# Altium PCB KEA once.PcbDoc (part 2 of 4)
Units mil, origin at the board's own origin, x right, y up, seen from the top; angles counter-clockwise.
Board outline 3229.26 x 1991.89 mil, 2 copper layers (Top Layer, Bottom Layer); 76 components, 82 nets, 488 pads, 56 vias.
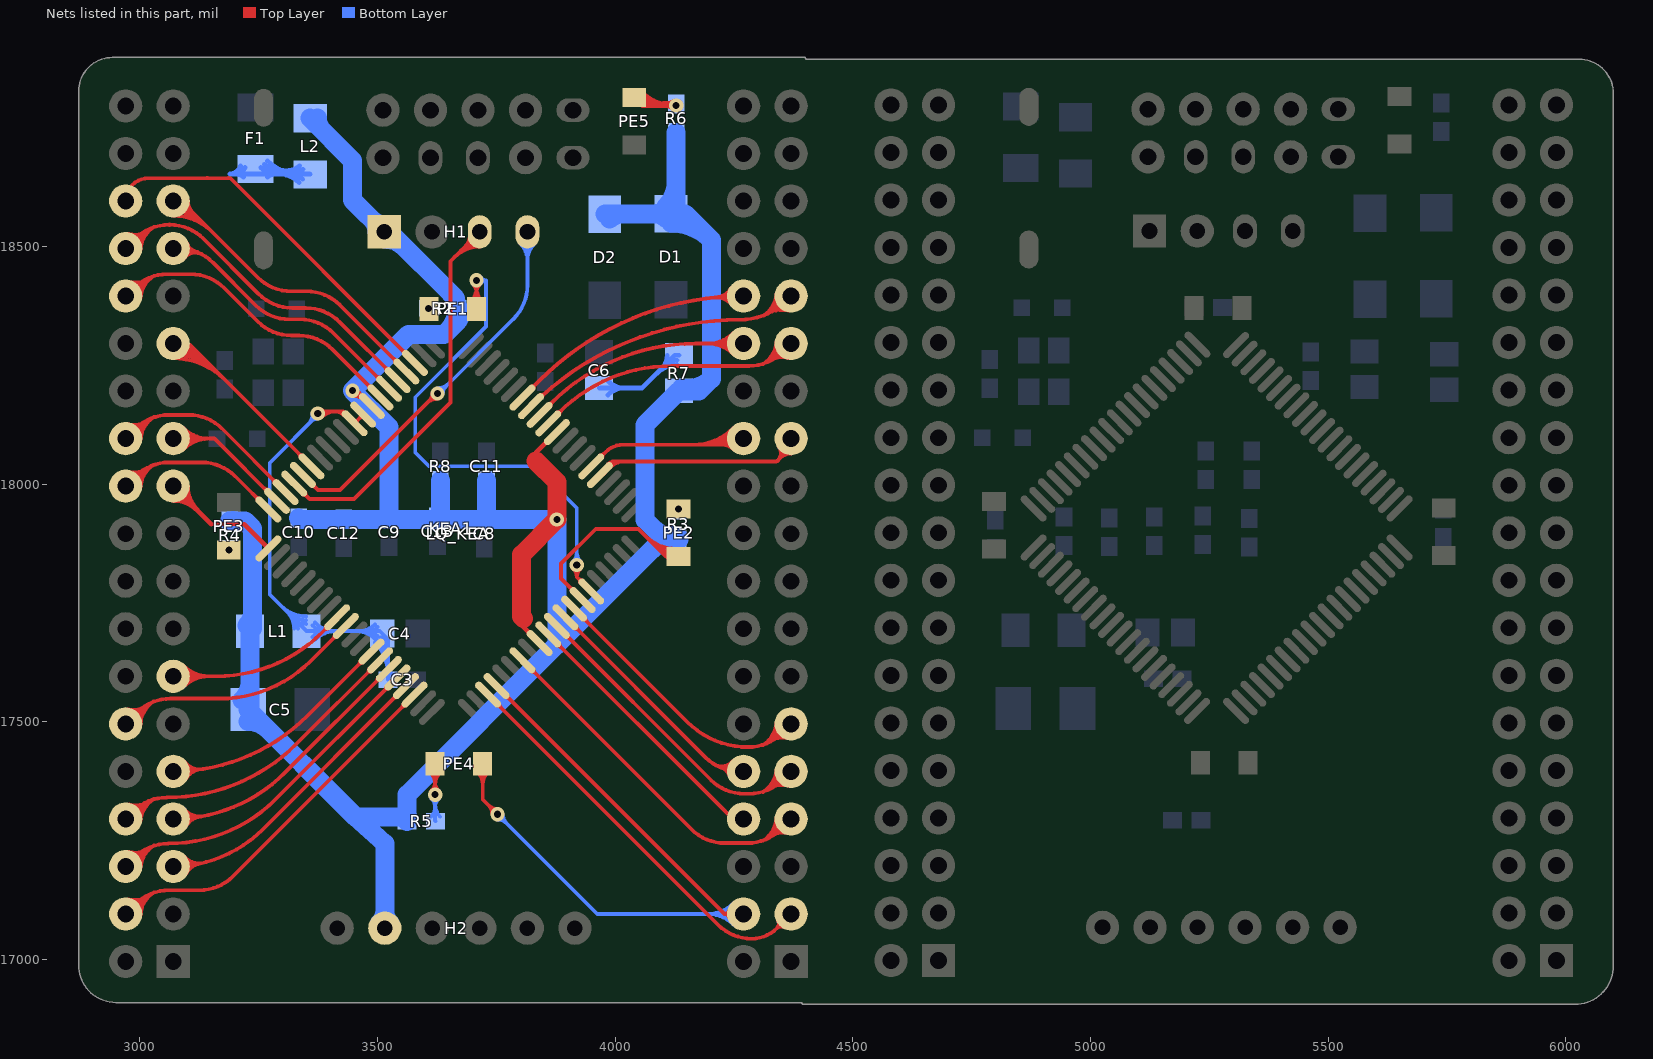
[diagram p2: the nets of this part, all layers, seen from the top]

## Via types
v1: diameter 30, hole 15, Top Layer to Bottom Layer, 56 vias

## Nets (pads, with @x,y where several pads share a name; then routed paths per layer and width w, separated by ;. In a path a pad name is that pad's centre, name@x,y a point inside that pad or via, vN(x,y) a via of type N, cw(c..) or ccw(c..) an arc to the next point about the centre after c; other vN are vias at no path point) (continued)
E4: KEA1.47 LQ_KEA.7 | length 959
  Top Layer w8: KEA1.47@3804.63,17629.7 4160.04,17274.29 ccw(c4230.75,17345) 4230.75,17245 4277.58,17245 ccw(c4277.58,17345) 4348.29,17274.29 LQ_KEA.7@4370,17296 ; KEA1.47@3824.12,17606.34 cw(c3824.12,17596.99) 3830.73,17603.6 cw(c3837.35,17610.21) KEA1.47@3827.99,17610.21 ; 4311.28,17250.2 ccw(c4277.79,17301.63) LQ_KEA.7@4339.06,17297.89 ; 4323.59,17258.21 cw(c4352.6,17213.65) LQ_KEA.7@4363.59,17265.67 ; 4324.6,17258.87 ccw(c4297.54,17300.43) LQ_KEA.7@4347.04,17297.4 ; 4337.92,17267.54 ccw(c4317.29,17299.22) LQ_KEA.7@4355.03,17296.91 ; 4339.77,17268.75 cw(c4358.24,17240.38) LQ_KEA.7@4365.24,17273.5
E5: KEA1.21 LQ_KEA.59 | length 444
  Top Layer w8: 3150,17916 3219.07,17916
  Top Layer w10: LQ_KEA.59@3070,17966 cw(c3070,17893.57) 3121.21,17944.79 cw(c3172.43,17996) LQ_KEA.59@3100,17996 ; LQ_KEA.59@3070,17976 cw(c3070,17927.72) 3104.14,17961.86 cw(c3138.28,17996) LQ_KEA.59@3090,17996 ; LQ_KEA.59@3070,17996 3150,17916 ; 3219.07,17916 KEA1.21@3270.13,17864.94
E6: KEA1.20 LQ_KEA.60 | length 575
  Top Layer w8: LQ_KEA.60@2974.89,18018.47 ccw(c2982.18,18051.93) 3000.69,18023.12 ; LQ_KEA.60@2976.6,18026.29 ccw(c2988,18078.62) 3016.94,18033.56 ; LQ_KEA.60@2984.97,17994.98 cw(c3022.47,17992.43) 3002.15,18024.06 ; LQ_KEA.60@2990.71,18016.71 cw(c3061.42,17946) 3061.42,18046 3129.77,18046 cw(c3129.77,17946) 3200.48,18016.71 KEA1.20@3270.13,17947.06 ; LQ_KEA.60@2992.95,17994.44 cw(c3042.23,17991.09) 3015.54,18032.66 ; LQ_KEA.60@3000.93,17993.9 cw(c3062,17989.75) 3028.92,18041.25 ; KEA1.20@3246.77,17966.55 ccw(c3237.41,17966.55) 3244.03,17973.16 ccw(c3250.64,17979.78) KEA1.20@3250.64,17970.42
  Top Layer w10: LQ_KEA.60@2970,17996 LQ_KEA.60@2990.71,18016.71
E7: KEA1.6 LQ_KEA.69 | length 688.3
  Top Layer w8: LQ_KEA.69@3082.58,18496 cw(c3082.58,18396) 3153.29,18466.71 3243.71,18376.29 ccw(c3314.42,18447) 3314.42,18347 3336.55,18347 cw(c3336.55,18247) 3407.26,18317.71 KEA1.6@3524.02,18200.95 ; LQ_KEA.69@3088.06,18481.76 cw(c3105.06,18468.37) 3110.09,18489.41 ; LQ_KEA.69@3091.51,18504.15 ccw(c3112.88,18512.24) 3107.56,18490.02 ; LQ_KEA.69@3094.35,18476.81 cw(c3115.87,18459.85) 3122.25,18486.5 cw(c3129.97,18518.72) LQ_KEA.69@3098.99,18506.98 ; KEA1.6@3500.66,18220.44 ccw(c3491.3,18220.44) 3497.92,18227.05 ccw(c3504.53,18233.67) KEA1.6@3504.53,18224.31
  Top Layer w10: LQ_KEA.69@3070,18496 LQ_KEA.69@3082.58,18496
F0: KEA1.55 PE1.2 | length 1302.9
  Top Layer w8: PE1.2@3696.69,18385.31 ccw(c3669.37,18412.63) 3708,18412.63 ccw(c3746.63,18412.63) PE1.2@3719.31,18385.31 ; v1@3700.22,18421.22 cw(c3681.44,18402.44) 3708,18402.44 cw(c3734.56,18402.44) v1@3715.78,18421.22 ; PE1.2@3708,18369 v1(3708,18429) ; v1@3911.53,17821.92 cw(c3895.77,17804.86) 3919,17804.86 ; v1(3919,17830) 3919,17804.86 ; KEA1.55@3926.03,17793.95 ccw(c3916.68,17793.95) 3923.29,17800.56 ccw(c3929.91,17807.17) KEA1.55@3929.91,17797.82 ; v1@3926.47,17821.92 ccw(c3942.23,17804.86) 3919,17804.86 ; KEA1.55@3949.4,17774.46 3919,17804.86
  Bottom Layer w8: v1(3708,18429) 3728,18429 ; v1@3717.29,18423.11 cw(c3728,18416.32) 3728,18429 ; v1@3717.29,18434.89 ccw(c3728,18441.68) 3728,18429 ; v1@3911.22,17837.78 ccw(c3892.44,17856.56) 3919,17856.56 ccw(c3945.56,17856.56) v1@3926.78,17837.78 ; v1(3919,17830) 3919,17950 3831,18038 3608,18038 3579,18067 3579,18183 3728,18332 3728,18429
F1: KEA1.54 PE2.2 | length 616
  Top Layer w8: KEA1.54@3907.94,17775.85 ccw(c3898.59,17775.85) 3905.2,17782.47 ccw(c3911.81,17789.08) KEA1.54@3911.81,17779.73 ; KEA1.54@3931.3,17756.37 3886,17801.67 3886,17833 3959,17906 4049,17906 4107,17848 ; 4064.84,17890.16 ccw(c4128,17953.33) PE2.2@4128,17864 ; 4078.49,17876.51 ccw(c4128,17926.01) PE2.2@4128,17856 ; 4092.15,17862.85 ccw(c4128,17898.7) PE2.2@4128,17848 ; 4105.81,17849.19 ccw(c4128,17871.39) PE2.2@4128,17840 ; PE2.2@4112.57,17843.75 ccw(c4107,17842.22) 4107,17848 ; PE2.2@4112.57,17852.25 cw(c4107,17853.78) 4107,17848 ; PE2.2@4133,17848 4107,17848
F2: KEA1.44 LQ_KEA.4 PE4.2 | length 1890.4
  Top Layer w8: PE4.2@3709.69,17395.69 cw(c3682.37,17368.37) 3721,17368.37 cw(c3759.63,17368.37) PE4.2@3732.31,17395.69 ; PE4.2@3721,17412 3721,17337 v1(3752.21,17305.79) ; v1@3741.21,17305.79 ccw(c3714.66,17305.79) 3733.44,17324.56 ccw(c3752.21,17343.34) v1@3752.21,17316.79 ; KEA1.44@3750.35,17575.41 4229.76,17096 ; KEA1.44@3769.84,17552.05 cw(c3769.84,17542.7) 3776.45,17549.31 cw(c3783.06,17555.93) KEA1.44@3773.71,17555.93 ; LQ_KEA.4@4240.03,17088.09 ccw(c4229.76,17085.39) 4229.76,17096 ; LQ_KEA.4@4240.03,17103.91 cw(c4229.76,17106.61) 4229.76,17096 ; LQ_KEA.4@4270,17096 4229.76,17096
  Bottom Layer w8: v1@3752.21,17294.79 cw(c3752.21,17268.23) 3770.99,17287.01 cw(c3789.77,17305.79) v1@3763.21,17305.79 ; v1(3752.21,17305.79) 3962,17096 LQ_KEA.4@4270,17096 ; LQ_KEA.4@4248.08,17074.08 ccw(c4195.16,17021.16) 4195.16,17096 ccw(c4195.16,17170.84) LQ_KEA.4@4248.08,17117.92 ; LQ_KEA.4@4253.74,17079.74 ccw(c4214.47,17040.47) 4214.47,17096 ccw(c4214.47,17151.53) LQ_KEA.4@4253.74,17112.26 ; LQ_KEA.4@4259.39,17085.39 ccw(c4233.79,17059.79) 4233.79,17096 ccw(c4233.79,17132.21) LQ_KEA.4@4259.39,17106.61
F3: KEA1.43 LQ_KEA.3 | length 913.5
  Top Layer w8: KEA1.43@3732.25,17557.32 4216.28,17073.29 ccw(c4286.99,17144) 4286.99,17044 ccw(c4286.99,17118.86) 4339.93,17065.93 ; KEA1.43@3751.74,17533.96 cw(c3751.74,17524.6) 3758.35,17531.22 cw(c3764.97,17537.83) KEA1.43@3755.61,17537.83 ; LQ_KEA.3@4342.42,17081.84 cw(c4330.26,17075.6) 4339.93,17065.93 ; LQ_KEA.3@4355.84,17068.42 ccw(c4349.6,17056.26) 4339.93,17065.93 ; LQ_KEA.3@4370,17096 4339.93,17065.93
F4: KEA1.38 LQ_KEA.42 | length 1012
  Top Layer w8: LQ_KEA.42@2970,17096 2990.71,17116.71 cw(c3061.42,17046) 3061.42,17146 3125.01,17146 ccw(c3125.01,17246) 3195.72,17175.29 KEA1.38@3577.75,17557.32 ; LQ_KEA.42@2974.89,17118.47 ccw(c2982.18,17151.93) 3000.69,17123.12 ; LQ_KEA.42@2976.6,17126.29 ccw(c2988,17178.62) 3016.94,17133.56 ; LQ_KEA.42@2984.97,17094.98 cw(c3022.47,17092.43) 3002.15,17124.06 ; LQ_KEA.42@2992.95,17094.44 cw(c3042.23,17091.09) 3015.54,17132.66 ; LQ_KEA.42@3000.93,17093.9 cw(c3062,17089.75) 3028.92,17141.25 ; KEA1.38@3554.39,17537.83 cw(c3545.03,17537.83) 3551.65,17531.22 cw(c3558.26,17524.61) KEA1.38@3558.26,17533.96
F5: KEA1.37 LQ_KEA.43 | length 787.4
  Top Layer w8: LQ_KEA.43@3070,17196 ccw(c3070,17462.14) 3258.19,17273.95 KEA1.37@3559.65,17575.41 ; LQ_KEA.43@3087.36,17211.09 ccw(c3110.2,17230.94) 3113.56,17200.86 ccw(c3116.92,17170.79) LQ_KEA.43@3090.26,17185.11 ; LQ_KEA.43@3093.4,17216.34 ccw(c3124.18,17243.09) 3128.71,17202.56 ccw(c3133.24,17162.02) LQ_KEA.43@3097.31,17181.33 ; KEA1.37@3536.29,17555.93 cw(c3526.94,17555.93) 3533.55,17549.31 cw(c3540.16,17542.7) KEA1.37@3540.16,17552.05
F6: KEA1.36 LQ_KEA.44 | length 939.9
  Top Layer w8: LQ_KEA.44@2970,17196 2988.71,17214.71 cw(c3059.42,17144) 3059.42,17244 ccw(c3059.42,17564.19) 3285.83,17337.78 KEA1.36@3541.56,17593.51 ; LQ_KEA.44@2975.17,17218.41 ccw(c2983.09,17252.73) 3001.76,17222.87 ; LQ_KEA.44@2976.97,17226.21 ccw(c2989.23,17279.34) 3018.13,17233.1 ; LQ_KEA.44@2984.95,17194.77 cw(c3021.9,17191.73) 3002.25,17223.17 ; LQ_KEA.44@2992.92,17194.12 cw(c3041.72,17190.11) 3015.77,17231.62 ; LQ_KEA.44@3000.9,17193.46 cw(c3061.54,17188.48) 3029.29,17240.08 ; KEA1.36@3518.19,17574.02 cw(c3508.84,17574.02) 3515.46,17567.41 cw(c3522.07,17560.8) KEA1.36@3522.07,17570.15
F7: KEA1.35 LQ_KEA.45 | length 721.8
  Top Layer w8: LQ_KEA.45@3070,17296 ccw(c3070,17628.81) 3305.34,17393.48 KEA1.35@3523.46,17611.6 ; LQ_KEA.45@3087.7,17310.69 ccw(c3110.95,17329.99) 3113.64,17299.89 ccw(c3116.32,17269.78) LQ_KEA.45@3090.02,17284.67 ; LQ_KEA.45@3093.86,17315.8 ccw(c3125.2,17341.81) 3128.81,17301.24 ccw(c3132.43,17260.67) LQ_KEA.45@3096.98,17280.73 ; KEA1.35@3500.1,17592.12 cw(c3490.75,17592.12) 3497.36,17585.5 cw(c3503.97,17578.89) KEA1.35@3503.97,17588.24
G0: KEA1.74 LQ_KEA.30 | length 679.5
  Top Layer w8: KEA1.74@3804.63,18182.3 3840.38,18218.04 cw(c4270,17788.42) LQ_KEA.30@4270,18396 ; KEA1.74@3824.12,18205.66 ccw(c3824.12,18215.01) 3830.73,18208.4 ccw(c3837.35,18201.79) KEA1.74@3827.99,18201.79 ; LQ_KEA.30@4243.65,18412.33 cw(c4209.08,18433.76) 4211.06,18393.13 cw(c4213.03,18352.51) LQ_KEA.30@4245.36,18377.19 ; LQ_KEA.30@4250.45,18408.12 cw(c4224.8,18424.01) 4226.27,18393.87 cw(c4227.73,18363.74) LQ_KEA.30@4251.72,18382.04
G1: KEA1.73 LQ_KEA.29 | length 804.2
  Top Layer w8: KEA1.73@3842.51,18187.56 ccw(c3843.32,18198.47) 3850.46,18190.17 ; KEA1.73@3846.08,18183.4 cw(c3853.82,18182.82) 3848.76,18188.71 ; KEA1.73@3846.84,18187.06 cw(c4261.62,17725.31) 4261.62,18346 ccw(c4261.62,18486.94) 4361.28,18387.28 LQ_KEA.29@4370,18396 ; 4312.33,18355.2 ccw(c4279.38,18405.48) LQ_KEA.29@4339.17,18399.22 ; 4313.86,18356.2 cw(c4350.18,18300.78) LQ_KEA.29@4363.68,18365.65 ; 4326.43,18364.44 ccw(c4301.01,18403.21) LQ_KEA.29@4347.12,18398.39 ; 4330.01,18366.78 cw(c4355.75,18327.52) LQ_KEA.29@4365.31,18373.48 ; 4340.52,18373.67 ccw(c4322.64,18400.95) LQ_KEA.29@4355.08,18397.56
G2: KEA1.72 LQ_KEA.28 | length 749.1
  Top Layer w8: KEA1.72@3840.82,18146.11 3864.9,18170.19 cw(c4168.64,17866.44) 4168.64,18296 LQ_KEA.28@4270,18296 ; KEA1.72@3860.43,18169.47 ccw(c3860.68,18178.16) 3866.65,18171.83 ; KEA1.72@3864.18,18165.48 cw(c3874.19,18165.19) 3867.32,18172.47 ; LQ_KEA.28@4248.08,18274.08 ccw(c4195.16,18221.16) 4195.16,18296 ccw(c4195.16,18370.84) LQ_KEA.28@4248.08,18317.92 ; LQ_KEA.28@4253.74,18279.74 ccw(c4214.47,18240.47) 4214.47,18296 ccw(c4214.47,18351.53) LQ_KEA.28@4253.74,18312.26 ; LQ_KEA.28@4259.39,18285.39 ccw(c4233.79,18259.79) 4233.79,18296 ccw(c4233.79,18332.21) LQ_KEA.28@4259.39,18306.61
G3: KEA1.71 LQ_KEA.27 | length 783.9
  Top Layer w8: KEA1.71@3858.92,18128.02 3882.4,18151.5 cw(c4117.79,17916.12) 4117.79,18249 4281.58,18249 ccw(c4281.58,18349) 4352.29,18278.29 LQ_KEA.27@4370,18296 ; KEA1.71@3878.56,18151.37 ccw(c3878.9,18159.96) 3884.73,18153.65 ; KEA1.71@3882.28,18147.35 cw(c3892.38,18146.95) 3885.52,18154.38 ; 4310.55,18252.55 ccw(c4278.72,18304.17) LQ_KEA.27@4339.12,18298.76 ; 4321.2,18259.12 cw(c4350.14,18212.21) LQ_KEA.27@4362.85,18265.84 ; 4324.14,18260.93 ccw(c4298.57,18302.39) LQ_KEA.27@4347.09,18298.05 ; 4337.64,18269.26 cw(c4356.44,18238.79) LQ_KEA.27@4364.69,18273.62 ; 4337.73,18269.31 ccw(c4318.43,18300.62) LQ_KEA.27@4355.06,18297.34
G4: KEA1.53 LQ_KEA.11 | length 807.4
  Top Layer w8: KEA1.53@3913.2,17738.27 4151.37,17500.11 ccw(c4279.58,17628.31) 4279.58,17447 ccw(c4279.58,17547) 4350.29,17476.29 LQ_KEA.11@4370,17496 ; KEA1.53@3932.69,17714.91 cw(c3932.69,17705.56) 3939.31,17712.17 cw(c3945.92,17718.78) KEA1.53@3936.57,17718.78 ; 4310.89,17451.32 ccw(c4278.22,17502.88) LQ_KEA.11@4339.09,17498.32 ; 4322.49,17458.67 cw(c4351.4,17413.05) LQ_KEA.11@4363.22,17465.75 ; 4324.34,17459.85 ccw(c4298.01,17501.4) LQ_KEA.11@4347.06,17497.72 ; 4337.79,17468.37 ccw(c4317.8,17499.91) LQ_KEA.11@4355.04,17497.12 ; 4338.8,17469.01 cw(c4357.37,17439.7) LQ_KEA.11@4364.97,17473.56
G5: KEA1.52 LQ_KEA.10 | length 637.5
  Top Layer w8: KEA1.52@3895.11,17720.18 4190,17425.29 ccw(c4260.71,17496) 4260.71,17396 LQ_KEA.10@4270,17396 ; KEA1.52@3914.6,17696.81 cw(c3914.6,17687.46) 3921.21,17694.07 cw(c3927.82,17700.69) KEA1.52@3918.47,17700.69 ; 4229.15,17404.13 ccw(c4235.1,17427.19) LQ_KEA.10@4252.85,17411.32 ; 4231.21,17403.6 cw(c4224.98,17379.41) LQ_KEA.10@4248.42,17388.05 ; LQ_KEA.10@4240.91,17385.28 ccw(c4207.56,17372.99) 4216.43,17407.41 ccw(c4224.07,17437.04) LQ_KEA.10@4246.88,17416.66
G6: KEA1.51 LQ_KEA.9 | length 871.9
  Top Layer w8: KEA1.51@3877.01,17702.08 4200.81,17378.29 ccw(c4271.52,17449) 4271.52,17349 4281.58,17349 ccw(c4281.58,17449) 4352.29,17378.29 LQ_KEA.9@4370,17396 ; KEA1.51@3896.5,17678.72 cw(c3896.5,17669.37) 3903.12,17675.98 cw(c3909.73,17682.59) KEA1.51@3900.38,17682.59 ; 4310.55,17352.55 ccw(c4278.72,17404.17) LQ_KEA.9@4339.12,17398.76 ; 4321.2,17359.12 cw(c4350.14,17312.21) LQ_KEA.9@4362.85,17365.84 ; 4324.14,17360.93 ccw(c4298.57,17402.39) LQ_KEA.9@4347.09,17398.05 ; 4337.64,17369.26 cw(c4356.44,17338.79) LQ_KEA.9@4364.69,17373.62 ; 4337.73,17369.31 ccw(c4318.43,17400.62) LQ_KEA.9@4355.06,17397.34
G7: KEA1.50 LQ_KEA.8 | length 584.1
  Top Layer w8: KEA1.50@3858.92,17683.98 4230.57,17312.33 ccw(c4270,17351.76) LQ_KEA.8@4270,17296 ; KEA1.50@3878.41,17660.62 cw(c3878.41,17651.27) 3885.02,17657.88 cw(c3891.63,17664.5) KEA1.50@3882.28,17664.5
H0: KEA1.19 LQ_KEA.61 | length 542.3
  Top Layer w8: LQ_KEA.61@3070,18096 3156.46,18096 KEA1.19@3287.26,17965.2 ; LQ_KEA.61@3080.61,18085.39 cw(c3106.21,18059.79) 3106.21,18096 cw(c3106.21,18132.21) LQ_KEA.61@3080.61,18106.61 ; LQ_KEA.61@3086.26,18079.74 cw(c3125.53,18040.47) 3125.53,18096 cw(c3125.53,18151.53) LQ_KEA.61@3086.26,18112.26 ; LQ_KEA.61@3091.92,18074.08 cw(c3144.84,18021.16) 3144.84,18096 cw(c3144.84,18170.84) LQ_KEA.61@3091.92,18117.92 ; 3260.46,17992.01 ccw(c3268.78,18000.33) KEA1.19@3268.78,17988.56
H1: KEA1.18 LQ_KEA.62 | length 637.7
  Top Layer w8: LQ_KEA.62@2974.89,18118.47 ccw(c2982.18,18151.93) 3000.69,18123.12 ; LQ_KEA.62@2976.6,18126.29 ccw(c2988,18178.62) 3016.94,18133.56 ; LQ_KEA.62@2984.97,18094.98 cw(c3022.47,18092.43) 3002.15,18124.06 ; LQ_KEA.62@2990.71,18116.71 cw(c3061.42,18046) 3061.42,18146 3102.31,18146 cw(c3102.31,18046) 3173.02,18116.71 KEA1.18@3306.4,17983.33 ; LQ_KEA.62@2992.95,18094.44 cw(c3042.23,18091.09) 3015.54,18132.66 ; LQ_KEA.62@3000.93,18093.9 cw(c3062,18089.75) 3028.92,18141.25 ; KEA1.18@3283.04,18002.82 ccw(c3273.68,18002.82) 3280.3,18009.43 ccw(c3286.91,18016.05) KEA1.18@3286.91,18006.69
  Top Layer w10: LQ_KEA.62@2970,18096 LQ_KEA.62@2990.71,18116.71
H2: KEA1.7 LQ_KEA.68 | length 867
  Top Layer w8: LQ_KEA.68@2975.44,18418.35 ccw(c2984.06,18453.75) 3003,18422.62 ; LQ_KEA.68@2977.33,18426.12 ccw(c2990.52,18480.29) 3019.5,18432.66 ; LQ_KEA.68@2984.93,18394.55 cw(c3021.21,18391.03) 3002.26,18422.17 ; LQ_KEA.68@2986.71,18412.71 cw(c3057.42,18342) 3057.42,18442 3106.58,18442 cw(c3106.58,18342) 3177.29,18412.71 3247.71,18342.29 ccw(c3318.42,18413) 3318.42,18313 3334.28,18313 cw(c3334.28,18213) 3404.99,18283.71 KEA1.7@3505.88,18182.82 ; LQ_KEA.68@2992.89,18393.78 cw(c3041.11,18389.1) 3015.93,18430.49 ; LQ_KEA.68@3000.86,18393.01 cw(c3061.01,18387.17) 3029.59,18438.8 ; KEA1.7@3482.52,18202.3 ccw(c3473.17,18202.3) 3479.78,18208.92 ccw(c3486.4,18215.53) KEA1.7@3486.4,18206.18
  Top Layer w10: LQ_KEA.68@2970,18396 LQ_KEA.68@2986.71,18412.71
H3: KEA1.34 LQ_KEA.46 | length 874.6
  Top Layer w8: LQ_KEA.46@2970,17296 2985.71,17311.71 cw(c3056.42,17241) 3056.42,17341 ccw(c3056.42,17727.86) 3329.98,17454.31 KEA1.34@3505.37,17629.7 ; LQ_KEA.46@2975.57,17318.31 ccw(c2984.58,17354.35) 3003.69,17322.5 ; LQ_KEA.46@2977.51,17326.08 ccw(c2991.19,17380.85) 3020.25,17332.44 ; LQ_KEA.46@2984.92,17294.44 cw(c3020.82,17290.68) 3002.24,17321.63 ; LQ_KEA.46@2992.88,17293.61 cw(c3040.77,17288.6) 3015.98,17329.88 ; LQ_KEA.46@3000.83,17292.77 cw(c3060.71,17286.51) 3029.73,17338.13 ; KEA1.34@3482,17610.21 cw(c3472.65,17610.21) 3479.27,17603.6 cw(c3485.88,17596.99) KEA1.34@3485.88,17606.34
H4: KEA1.33 LQ_KEA.47 | length 656.2
  Top Layer w8: LQ_KEA.47@3070,17396 ccw(c3070,17795.49) 3352.48,17513.01 KEA1.33@3487.27,17647.8 ; LQ_KEA.47@3087.92,17410.42 ccw(c3111.45,17429.35) 3113.68,17399.24 ccw(c3115.91,17369.12) LQ_KEA.47@3089.85,17384.38 ; LQ_KEA.47@3094.15,17415.44 ccw(c3125.86,17440.96) 3128.87,17400.36 ccw(c3131.88,17359.77) LQ_KEA.47@3096.75,17380.34 ; KEA1.33@3463.91,17628.31 cw(c3454.56,17628.31) 3461.17,17621.69 cw(c3467.78,17615.08) KEA1.33@3467.78,17624.43
H5: KEA1.5 LQ_KEA.70 | length 932.8
  Top Layer w8: LQ_KEA.70@2974.89,18518.47 ccw(c2982.18,18551.93) 3000.69,18523.12 ; LQ_KEA.70@2976.6,18526.29 ccw(c2988,18578.62) 3016.94,18533.56 ; LQ_KEA.70@2984.97,18494.98 cw(c3022.47,18492.43) 3002.15,18524.06 ; LQ_KEA.70@2990.71,18516.71 cw(c3061.42,18446) 3061.42,18546 ; LQ_KEA.70@2992.95,18494.44 cw(c3042.23,18491.09) 3015.54,18532.66 ; LQ_KEA.70@3000.93,18493.9 cw(c3062,18489.75) 3028.92,18541.25 ; 3062.58,18546 cw(c3062.58,18446) 3133.29,18516.71 3249.71,18400.29 ccw(c3320.42,18471) 3320.42,18371 3348.82,18371 cw(c3348.82,18271) 3419.53,18341.71 KEA1.5@3542.15,18219.09 ; KEA1.5@3518.79,18238.57 ccw(c3509.44,18238.57) 3516.05,18245.19 ccw(c3522.67,18251.8) KEA1.5@3522.67,18242.45
  Top Layer w10: LQ_KEA.70@2970,18496 LQ_KEA.70@2990.71,18516.71 ; 3061.42,18546 3062.58,18546
H6: KEA1.4 LQ_KEA.71 | length 942.8
  Top Layer w8: LQ_KEA.71@3070,18565 cw(c3070,18449.12) 3151.94,18531.06 ; LQ_KEA.71@3070,18573 cw(c3070,18476.43) 3138.28,18544.72 ; LQ_KEA.71@3070,18581 cw(c3070,18503.75) 3124.63,18558.37 ; LQ_KEA.71@3070,18589 cw(c3070,18531.06) 3110.97,18572.03 ; LQ_KEA.71@3099.02,18583.98 3247.71,18435.29 ccw(c3318.42,18506) 3318.42,18406 3350.09,18406 cw(c3350.09,18306) 3420.8,18376.71 KEA1.4@3560.29,18237.22 ; LQ_KEA.71@3101,18596 ccw(c3134.8,18596) 3110.9,18572.1 ; KEA1.4@3536.93,18256.71 ccw(c3527.57,18256.71) 3534.19,18263.32 ccw(c3540.8,18269.94) KEA1.4@3540.8,18260.58
  Top Layer w10: LQ_KEA.71@3070,18596 cw(c3070,18554.96) LQ_KEA.71@3099.02,18583.98
H7: KEA1.3 LQ_KEA.72 | length 813.7
  Top Layer w8: LQ_KEA.72@2970,18596 cw(c3018,18596) 3018,18644 3141,18644 ; 3142,18645 cw(c3141,18645) 3141,18644 ; 3185.68,18644.68 3185.68,18644 ; KEA1.3@3555.06,18274.85 ccw(c3545.71,18274.85) 3552.32,18281.46 ccw(c3558.94,18288.07) KEA1.3@3558.94,18278.72 ; KEA1.3@3578.42,18255.36 3189.78,18644 3185.68,18644 ; 3141,18644 3185.68,18644
I0: H1.3 KEA1.17 | length 955.1
  Top Layer w8: KEA1.17@3340,17986 3357,17969 3450,17969 3653,18172 3653,18469.21 H1.3@3714.79,18531 ; KEA1.17@3344.02,17978.11 cw(c3344.02,17968.75) 3350.63,17975.37 cw(c3357.25,17981.98) KEA1.17@3347.89,17981.98 ; 3661.87,18478.08 cw(c3714.79,18425.16) H1.3@3714.79,18500 ; 3675.52,18491.74 cw(c3714.79,18452.47) H1.3@3714.79,18508 ; 3686.01,18502.22 ccw(c3667.23,18521) H1.3@3693.79,18521 ; 3689.18,18505.39 cw(c3714.79,18479.79) H1.3@3714.79,18516
I1: H1.4 KEA1.16 | length 1010.4
  Top Layer w8: KEA1.16@3342.67,18019.6 3374.27,17988 3420.76,17988 3625,18192.24 v1@3625,18201 ; KEA1.16@3362.16,17996.24 cw(c3362.16,17986.89) 3368.77,17993.5 cw(c3375.38,18000.12) KEA1.16@3366.03,18000.12 ; 3603.41,18170.64 cw(c3626,18148.05) v1@3626,18180 ; 3608.8,18176.04 ccw(c3593.84,18191) v1@3615,18191
  Bottom Layer w8: v1@3626,18202 ccw(c3626,18235.8) 3649.9,18211.9 ; v1@3637,18191 cw(c3656.31,18191) 3642.66,18204.66 ; 3639,18201 3783,18345 ; 3785.89,18347.89 ccw(c3715.18,18418.6) 3815.18,18418.6 H1.4@3815.18,18531 ; H1.4@3800.33,18506.15 cw(c3764.48,18470.3) 3815.18,18470.3 cw(c3865.88,18470.3) H1.4@3830.03,18506.15 ; H1.4@3805.99,18511.81 cw(c3783.8,18489.62) 3815.18,18489.62 cw(c3846.57,18489.62) H1.4@3824.37,18511.81
  other v1: 3626,18191
I2: KEA1.66 LQ_KEA.24 | length 662.9
  Top Layer w8: KEA1.66@3949.4,18037.54 3979.89,18068.03 cw(c4016.03,18031.89) 4016.03,18083 4238.62,18083 ccw(c4238.62,18127.38) LQ_KEA.24@4270,18096 ; KEA1.66@3968.88,18060.9 ccw(c3968.88,18070.25) 3975.5,18063.64 ccw(c3982.11,18057.03) KEA1.66@3972.76,18057.03 ; 4163.77,18083 ccw(c4163.77,18202.23) LQ_KEA.24@4248.08,18117.92 ; 4183.09,18083 ccw(c4183.09,18182.91) LQ_KEA.24@4253.74,18112.26 ; 4202.4,18083 ccw(c4202.4,18163.6) LQ_KEA.24@4259.39,18106.61 ; 4221.72,18083 ccw(c4221.72,18144.28) LQ_KEA.24@4265.05,18100.95 ; 4226.54,18083 cw(c4226.54,18052.54) LQ_KEA.24@4248.08,18074.08
I3: KEA1.65 LQ_KEA.23 | length 614.7
  Top Layer w8: KEA1.65@3971.76,18023.71 KEA1.65@3967.49,18019.44 ccw(c3967.49,18033.82) 3970.67,18019.8 ccw(c3967.49,18033.82) 3977.65,18023.65 3977.65,18031.65 3994,18048 ; KEA1.65@3984.06,18041.85 cw(c3998.91,18027) 3998.91,18048 ; KEA1.65@3989.72,18036.19 cw(c4018.22,18007.68) 4018.22,18048 ; KEA1.65@3990.84,18039.28 cw(c4001.74,18040.26) 3994,18048 ; LQ_KEA.23@4344.49,18078.39 cw(c4326.1,18065.7) 4341.9,18049.9 ; 4347.81,18055.81 cw(c4370,18033.62) LQ_KEA.23@4370,18065 ; 4348.69,18056.69 ccw(c4334.14,18071.24) LQ_KEA.23@4351.07,18082.93 ; 4355.48,18063.48 ccw(c4342.17,18076.78) LQ_KEA.23@4357.66,18087.48 ; LQ_KEA.23@4377,18085 4341.9,18049.9 ; 3994,18048 4337.31,18048 ccw(c4337.31,18054.49) 4341.9,18049.9
I4: KEA1.15 LQ_KEA.65 | length 910.2
  Top Layer w8: LQ_KEA.65@3070,18265 cw(c3070,18111.6) 3178.47,18220.07 ; LQ_KEA.65@3070,18273 cw(c3070,18138.91) 3164.81,18233.73 ; LQ_KEA.65@3070,18281 cw(c3070,18166.23) 3151.16,18247.38 ; LQ_KEA.65@3070,18289 cw(c3070,18193.54) 3137.5,18261.04 ; LQ_KEA.65@3070,18296 LQ_KEA.65@3092.61,18296 ; LQ_KEA.65@3070,18297 cw(c3070,18220.85) 3123.84,18274.7 ; LQ_KEA.65@3070,18305 cw(c3070,18248.17) 3110.19,18288.35 ; LQ_KEA.65@3092.61,18297.05 cw(c3092.61,18275.61) 3107.77,18290.77 KEA1.15@3362.8,18035.74 ; KEA1.15@3337.44,18057.22 ccw(c3328.09,18057.22) 3334.7,18063.84 ccw(c3341.32,18070.45) KEA1.15@3341.32,18061.1
I5: KEA1.30 LQ_KEA.50 | length 754.3
  Top Layer w8: LQ_KEA.50@2970,17496 2993.71,17519.71 cw(c3064.42,17449) 3064.42,17549 3167.84,17549 ccw(c3167.84,17819.55) 3359.15,17628.24 KEA1.30@3432.98,17702.08 ; LQ_KEA.50@2974.47,17518.56 ccw(c2980.94,17551.19) 2999.44,17523.54 ; LQ_KEA.50@2976.03,17526.41 ccw(c2986.25,17577.98) 3015.49,17534.28 ; LQ_KEA.50@2984.98,17495.28 cw(c3023.1,17493.46) 3001.88,17525.18 ; LQ_KEA.50@2992.97,17494.9 cw(c3042.83,17492.52) 3015.08,17534.01 ; LQ_KEA.50@3000.96,17494.52 cw(c3062.57,17491.58) 3028.27,17542.84 ; KEA1.30@3409.62,17682.59 cw(c3400.27,17682.59) 3406.88,17675.98 cw(c3413.5,17669.37) KEA1.30@3413.5,17678.72
I6: KEA1.29 LQ_KEA.51 | length 660.5
  Top Layer w8: LQ_KEA.51@3071,17595 LQ_KEA.51@3070,17596 3159.69,17596 ccw(c3159.69,17912.31) 3383.36,17688.65 KEA1.29@3414.89,17720.18 ; LQ_KEA.51@3080.61,17585.39 cw(c3106.21,17559.79) 3106.21,17596 cw(c3106.21,17632.21) LQ_KEA.51@3080.61,17606.61 ; LQ_KEA.51@3086.26,17579.74 cw(c3125.53,17540.47) 3125.53,17596 cw(c3125.53,17651.53) LQ_KEA.51@3086.26,17612.26 ; LQ_KEA.51@3091.92,17574.08 cw(c3144.84,17521.16) 3144.84,17596 cw(c3144.84,17670.84) LQ_KEA.51@3091.92,17617.92 ; KEA1.29@3391.53,17700.69 cw(c3382.18,17700.69) 3388.79,17694.08 cw(c3395.4,17687.46) KEA1.29@3395.4,17696.81
NetC3_2: C3.2 C4.2 KEA1.9 KEA1.10 L1.1 | length 1807.6
  Top Layer w8: v1(3374,18149) 3374,18153 3426.89,18153 KEA1.10@3451.48,18128.41 KEA1.9@3469.61,18146.55 ; v1@3376.12,18146.88 cw(c3390.9,18132.1) 3390.9,18153 cw(c3390.9,18165.9) v1@3381.78,18156.78 ; v1@3381.78,18141.22 cw(c3410.21,18112.79) 3410.21,18153 ; 3410.33,18153 cw(c3410.33,18126.23) KEA1.10@3429.25,18145.16 ; KEA1.10@3451.48,18132.29 ccw(c3451.48,18141.64) 3458.09,18135.03 ccw(c3464.7,18128.41) KEA1.10@3455.35,18128.41 ; KEA1.9@3465.74,18146.55 cw(c3456.39,18146.55) 3463,18139.93 cw(c3469.61,18133.32) KEA1.9@3469.61,18142.67
  Bottom Layer w8: 3297.08,17743.92 ccw(c3350,17796.84) L1.1@3350,17722 ; 3310.29,17730.71 cw(c3276.06,17696.47) L1.1@3324.47,17696.47 ; 3310.74,17730.26 ccw(c3350,17769.53) L1.1@3350,17714 ; L1.1@3323.95,17717.05 cw(c3303.37,17696.47) L1.1@3332.47,17696.47 ; L1.1@3324.39,17716.61 ccw(c3350,17742.21) L1.1@3350,17706 ; 3353.1,18125.1 ccw(c3329.2,18149) v1@3363,18149 ; 3360.34,18132.34 cw(c3374,18118.69) v1@3374,18138 ; L1.1@3362.39,17678.61 cw(c3392.32,17648.68) 3392.32,17691 cw(c3392.32,17733.32) L1.1@3362.39,17703.39 ; L1.1@3368.05,17672.95 cw(c3411.63,17629.37) 3411.63,17691 cw(c3411.63,17752.63) L1.1@3368.05,17709.05 ; v1@3375.5,18147.5 3273,18045 3273,17768 L1.1@3350,17691 3504.6,17691 C4.2@3509.6,17686 3522,17673.6 C3.2@3522,17589 ; 3454.91,17691 cw(c3454.91,17635.25) C4.2@3494.33,17674.67 ; 3460.04,17691 ccw(c3460.04,17739.49) C4.2@3494.33,17705.2 ; 3474.22,17691 cw(c3474.22,17654.56) C4.2@3499.99,17680.33 ; 3479.35,17691 ccw(c3479.35,17720.18) C4.2@3499.99,17699.55 ; C4.2@3494.33,17666.8 cw(c3427.53,17600) C3.2@3522,17600 ; C4.2@3499.99,17672.45 cw(c3446.85,17619.31) 3522,17619.31 ; C4.2@3505.65,17678.11 cw(c3466.16,17638.63) 3522,17638.63 ; C4.2@3511.3,17683.77 cw(c3485.48,17657.94) C4.2@3522,17657.94 ; C3.2@3512.45,17598.55 ccw(c3489.41,17621.59) 3522,17621.59 ccw(c3554.59,17621.59) C3.2@3531.55,17598.55
NetC6_2: C6.2 R7.2 | length 381.6
  Bottom Layer w10: C6.2@3966,18202.6 4056.6,18202.6 4125.4,18271.4 R7.2@4134,18271.4 ; C6.2@3984.5,18188.04 cw(c4019.65,18152.89) 4019.65,18202.6 cw(c4019.65,18252.31) C6.2@3984.5,18217.16 ; 4086.96,18232.96 cw(c4130.06,18189.85) R7.2@4130.06,18250.81 ; 4098.21,18244.21 ccw(c4071.02,18271.4) R7.2@4109.47,18271.4 ; 4104.03,18250.03 cw(c4130.06,18223.99) R7.2@4130.06,18260.81
NetF1_1: F1.1 L2.1 | length 677.7
  Bottom Layer w10: 3199.95,18653 cw(c3199.95,18627.93) F1.1@3217.68,18645.66 ; 3202.33,18653 ccw(c3202.33,18672.53) F1.1@3221.08,18667.06 ; F1.1@3211.48,18669.86 cw(c3189,18676.41) 3189,18653 3357,18653 L2.1@3358,18652 ; F1.1@3254.17,18666.2 ccw(c3286.05,18698.07) 3286.05,18653 ccw(c3286.05,18627.93) F1.1@3268.32,18645.66 ; F1.1@3261.24,18673.27 ccw(c3310.19,18722.21) 3310.19,18653 ; F1.1@3268.32,18680.34 ccw(c3334.33,18746.36) L2.1@3334.33,18653 ; 3290.9,18653 cw(c3290.9,18590.37) L2.1@3335.18,18634.66 ; 3295.73,18653 ccw(c3295.73,18708.8) L2.1@3335.18,18669.34 ; 3300.23,18660.74 ccw(c3309.1,18699.81) L2.1@3336.04,18670.16 ; 3301.3,18660.5 cw(c3290.5,18612.93) L2.1@3331.77,18638.93 ; 3315.04,18653 cw(c3315.04,18614.51) L2.1@3342.26,18641.73 ; 3318.94,18656.49 ccw(c3324.85,18682.48) L2.1@3342.76,18662.75 ; 3319.87,18653 ccw(c3319.87,18684.66) L2.1@3342.25,18662.27
NetPE1_1: PE1.1 R2.1
  other v1: 3607,18370
NetPE2_1: PE2.1 R3.1
  other v1: 4133,17948
NetPE3_1: PE3.1 R4.1
  other v1: 3187,17862
NetPE4_1: PE4.1 R5.1 | length 316.7
  Top Layer w8: PE4.1@3609.69,17395.69 cw(c3582.37,17368.37) 3621,17368.37 cw(c3659.63,17368.37) PE4.1@3632.31,17395.69 ; v1@3613.22,17354.78 ccw(c3594.44,17373.56) 3621,17373.56 ccw(c3647.56,17373.56) v1@3628.78,17354.78 ; v1(3621,17347) PE4.1@3621,17412
  Bottom Layer w8: R5.1@3612.45,17300.55 ccw(c3591.82,17321.18) 3621,17321.18 ; v1@3613.22,17339.22 cw(c3594.44,17320.44) 3621,17320.44 cw(c3647.56,17320.44) v1@3628.78,17339.22 ; 3621,17326.01 ccw(c3657.01,17326.01) R5.1@3631.55,17300.55 ; v1(3621,17347) 3621,17292 R5.1@3622,17291
NetPE5_1: PE5.1 R6.1 | length 411.9
  Top Layer w10: PE5.1@4040,18814 4057,18797 v1(4128,18797) ; PE5.1@4041.46,18810.46 ccw(c4073.97,18842.97) 4073.97,18797 ; PE5.1@4048.54,18817.54 ccw(c4098.11,18867.11) 4098.11,18797 ; PE5.1@4055.61,18824.61 ccw(c4122.25,18891.25) v1@4122.25,18797 ; 4103.86,18797 ccw(c4103.86,18821.14) 4120.93,18804.07 cw(c4103.86,18821.14) 4103.86,18797 ; 4103.86,18797 cw(c4103.86,18772.86) 4120.93,18789.93 ccw(c4103.86,18772.86) 4103.86,18797 ; 4101.31,18801.46 ccw(c4107.19,18829.07) 4122.56,18805.39 cw(c4107.19,18829.07) 4101.31,18801.46 ; 4106.96,18800.26 cw(c4102.79,18780.64) 4119.61,18791.56 ccw(c4102.79,18780.64) 4106.96,18800.26
  other v1: 4128,18797
VDD: C5.1 C8.2 C9.2 C10.2 C11.2 C12.2 C13.2 D1.2 D2.2 H1.1 H2.2 KEA1.8 KEA1.49 KEA1.70 L1.2 L2.2 R2.2 R3.2 R4.2 R5.2 R6.2 R7.1 R8.2 | length 7025.6
  Top Layer w10: v1@3447,18187 cw(c3447,18142.5) KEA1.8@3478.46,18173.97 ; 3461.39,18191.04 ccw(c3447,18176.65) v1(3447,18197) 3455.43,18197 KEA1.8@3487.75,18164.68 ; 3803,17852 3797,17846 3797,17709.71 KEA1.49@3840.82,17665.89 ; 3833,18049 3833,18065.91 KEA1.70@3877.01,18109.92
  Top Layer w40: 3807,17718 3803,17722 3803,17852 v1(3877,17926) 3877,18005 3833,18049
  Bottom Layer w40: R4.2@3188.63,17922.97 cw(c3196.96,17866.96) 3237,17907 ; R4.2@3189,17923 3221,17923 3237,17907 ; C5.1@3215.13,17545.87 ccw(c3174.65,17586.35) 3231.89,17586.35 ; L1.2@3225.15,17703.21 ccw(c3196.55,17731.81) 3237,17731.81 ; C5.1@3227.5,17501 cw(c3227.5,17440.64) 3270.18,17483.32 ; C10.2@3334,17929 3337,17926 3626,17926 C8.2@3724,17926 v1(3877,17926) 3877,17662 ; L2.2@3358,18770.11 3447,18681.11 3447,18598 H1.1@3514,18531 3524,18531 3664,18391 ; L2.2@3373,18770.11 ccw(c3409.21,18770.11) L2.2@3383.61,18744.5 ; H1.1@3499,18531 ccw(c3462.79,18531) 3488.39,18556.61 ccw(c3514,18582.21) H1.1@3514,18546 ; H2.2@3504.39,17076.61 ccw(c3478.79,17102.21) 3515,17102.21 ccw(c3551.21,17102.21) H2.2@3525.61,17076.61 ; H1.1@3514,18516 cw(c3514,18455.64) 3556.68,18498.32 ; H2.2@3515,17066 3515,17244 3453.5,17300 ; C9.2@3524,17929 3524,18120 v1(3447,18197) 3565,18315 3640,18315 3667,18342 ; C13.2@3626,17931 3632,17937 R8.2@3632,18008 ; 3647.2,18322.2 ccw(c3599.4,18370) R2.2@3667,18370 ; 3654.27,18400.73 cw(c3623.54,18370) R2.2@3667,18370 ; R2.2@3668.99,18371.51 cw(c3651.11,18357.9) 3667,18342 ; C8.2@3729,17931 C11.2@3729,18008 ; D2.2@3978,18568.1 3979,18569.1 D1.2@4117,18569.1 ; D2.2@3988.22,18557.89 cw(c4015.3,18530.81) 4015.3,18569.1 ; 4079.08,17864.08 cw(c4132,17811.16) R3.2@4132,17886 ; 4079.08,17907.92 ccw(c4132,17960.84) R3.2@4132,17886 ; D1.2@4106.78,18558.89 ccw(c4082.12,18534.22) 4082.12,18569.1 ccw(c4082.12,18603.98) D1.2@4106.78,18579.32 ; D1.2@4106.78,18584.24 ccw(c4055.56,18635.46) 4128,18635.46 ; D1.2@4117,18549.73 cw(c4117,18430.79) 4201.11,18514.89 ; R6.2@4128,18740 4128,18580.1 D1.2@4117,18569.1 ; R3.2@4133.54,17884.03 cw(c4118.38,17903.38) 4101,17886 ; R3.2@4133.54,17887.97 ccw(c4118.38,17868.62) 4101,17886 ; R7.1@4138.91,18202.1 ccw(c4151.34,18272.65) 4202,18222 ; 3237,17907 3237,17696.11 L1.2@3231.89,17691 3231.89,17530.39 C5.1@3227.5,17526 3453.5,17300 ; 3453.5,17300 3478.38,17300 3528.12,17300 3553,17300 R5.2@3562,17291 3562,17347 3877,17662 ; R5.2@3543.81,17300 cw(c3543.81,17275.31) R5.2@3561.27,17292.77 ; R5.2@3543.81,17300 cw(c3543.81,17275.31) R5.2@3561.27,17292.77 ; R5.2@3543.81,17300 cw(c3543.81,17275.31) R5.2@3561.27,17292.77 ; 3667,18342 R2.2@3667,18370 ; 3877,17662 4101,17886 ; 4101,17886 4062,17925 4062,18124.6 R7.1@4134,18196.6 4176.6,18196.6 4202,18222 ; 4101,17886 R3.2@4132,17886 ; D1.2@4117,18569.1 4146.9,18569.1 4202,18514 4202,18222
pads on no net: C1_1.1 C1_1.2 C2_1.1 C2_1.2 C3_1.1 C3_1.2 C4_1.1 C4_1.2 C5_1.1 C5_1.2 C6_1.1 C6_1.2 C7_1.1 C7_1.2 C8_1.1 C8_1.2 C9_1.1 C9_1.2 C10_1.1 C10_1.2 C11_1.1 C11_1.2 C12_1.1 C12_1.2 C13_1.1 C13_1.2 D1_1.1 D1_1.2 D2_1.1 D2_1.2 F1_1.1 F1_1.2 H1_1.1 H1_1.2 H1_1.3 H1_1.4 H2_1.1 H2_1.2 H2_1.3 H2_1.4 H2_1.5 H2_1.6 JTAG1.6 JTAG1.7 JTAG1.8 JTAG1.9 JTAG1_1.1 JTAG1_1.2 JTAG1_1.3 JTAG1_1.4 JTAG1_1.5 JTAG1_1.6 JTAG1_1.7 JTAG1_1.8 JTAG1_1.9 JTAG1_1.10 K1_1.1 K1_1.2 KEA1_1.1 KEA1_1.2 KEA1_1.3 KEA1_1.4 KEA1_1.5 KEA1_1.6 KEA1_1.7 KEA1_1.8 KEA1_1.9 KEA1_1.10 KEA1_1.11 KEA1_1.12 KEA1_1.13 KEA1_1.14 KEA1_1.15 KEA1_1.16 KEA1_1.17 KEA1_1.18 KEA1_1.19 KEA1_1.20 KEA1_1.21 KEA1_1.22 KEA1_1.23 KEA1_1.24 KEA1_1.25 KEA1_1.26 KEA1_1.27 KEA1_1.28 KEA1_1.29 KEA1_1.30 KEA1_1.31 KEA1_1.32 KEA1_1.33 KEA1_1.34 KEA1_1.35 KEA1_1.36 KEA1_1.37 KEA1_1.38 KEA1_1.39 KEA1_1.40 KEA1_1.41 KEA1_1.42 KEA1_1.43 KEA1_1.44 KEA1_1.45 KEA1_1.46 KEA1_1.47 KEA1_1.48 KEA1_1.49 KEA1_1.50 KEA1_1.51 KEA1_1.52 KEA1_1.53 KEA1_1.54 KEA1_1.55 KEA1_1.56 KEA1_1.57 KEA1_1.58 KEA1_1.59 KEA1_1.60 KEA1_1.61 KEA1_1.62 KEA1_1.63 KEA1_1.64 KEA1_1.65 KEA1_1.66 KEA1_1.67 KEA1_1.68 KEA1_1.69 KEA1_1.70 KEA1_1.71 KEA1_1.72 KEA1_1.73 KEA1_1.74 KEA1_1.75 KEA1_1.76 KEA1_1.77 KEA1_1.78 KEA1_1.79 KEA1_1.80 L1_1.1 L1_1.2 L2_1.1 L2_1.2 LQ_KEA.1 LQ_KEA.2 LQ_KEA.12 LQ_KEA.13 LQ_KEA.34 LQ_KEA.35 LQ_KEA.36 LQ_KEA.40 LQ_KEA.41 LQ_KEA.63 LQ_KEA.64 LQ_KEA.66 LQ_KEA.67 LQ_KEA_1.1 LQ_KEA_1.2 LQ_KEA_1.3 LQ_KEA_1.4 LQ_KEA_1.5 LQ_KEA_1.6 LQ_KEA_1.7 LQ_KEA_1.8 LQ_KEA_1.9 LQ_KEA_1.10 LQ_KEA_1.11 LQ_KEA_1.12 LQ_KEA_1.13 LQ_KEA_1.14 LQ_KEA_1.15 LQ_KEA_1.16 LQ_KEA_1.17 LQ_KEA_1.18 LQ_KEA_1.19 LQ_KEA_1.20 LQ_KEA_1.21 LQ_KEA_1.22 LQ_KEA_1.23 LQ_KEA_1.24 LQ_KEA_1.25 LQ_KEA_1.26 LQ_KEA_1.27 LQ_KEA_1.28 LQ_KEA_1.29 LQ_KEA_1.30 LQ_KEA_1.31 LQ_KEA_1.32 LQ_KEA_1.33 LQ_KEA_1.34 LQ_KEA_1.35 LQ_KEA_1.36 LQ_KEA_1.37 LQ_KEA_1.38 LQ_KEA_1.39 LQ_KEA_1.40 LQ_KEA_1.41 LQ_KEA_1.42 LQ_KEA_1.43 LQ_KEA_1.44 LQ_KEA_1.45 LQ_KEA_1.46 LQ_KEA_1.47 LQ_KEA_1.48 LQ_KEA_1.49 LQ_KEA_1.50 LQ_KEA_1.51 LQ_KEA_1.52 LQ_KEA_1.53 LQ_KEA_1.54 LQ_KEA_1.55 LQ_KEA_1.56 LQ_KEA_1.57 LQ_KEA_1.58 LQ_KEA_1.59 LQ_KEA_1.60 LQ_KEA_1.61 LQ_KEA_1.62 LQ_KEA_1.63 LQ_KEA_1.64 LQ_KEA_1.65 LQ_KEA_1.66 LQ_KEA_1.67 LQ_KEA_1.68 LQ_KEA_1.69 LQ_KEA_1.70 LQ_KEA_1.71 LQ_KEA_1.72 LQ_KEA_1.73 LQ_KEA_1.74 LQ_KEA_1.75 LQ_KEA_1.76 PE1_1.1 PE1_1.2 PE2_1.1 PE2_1.2 PE3_1.1 PE3_1.2 PE4_1.1 PE4_1.2 PE5_1.1 PE5_1.2 R1_1.1 R1_1.2 R2_1.1 R2_1.2 R3_1.1 R3_1.2 R4_1.1 R4_1.2 R5_1.1 R5_1.2 R6_1.1 R6_1.2 R7_1.1 R7_1.2 R8_1.1 R8_1.2 XTAL1_1.1 XTAL1_1.2 XTAL1_1.3 XTAL1_1.4